# KiCad board modulo_sensor-panel.kicad_pcb (continued)
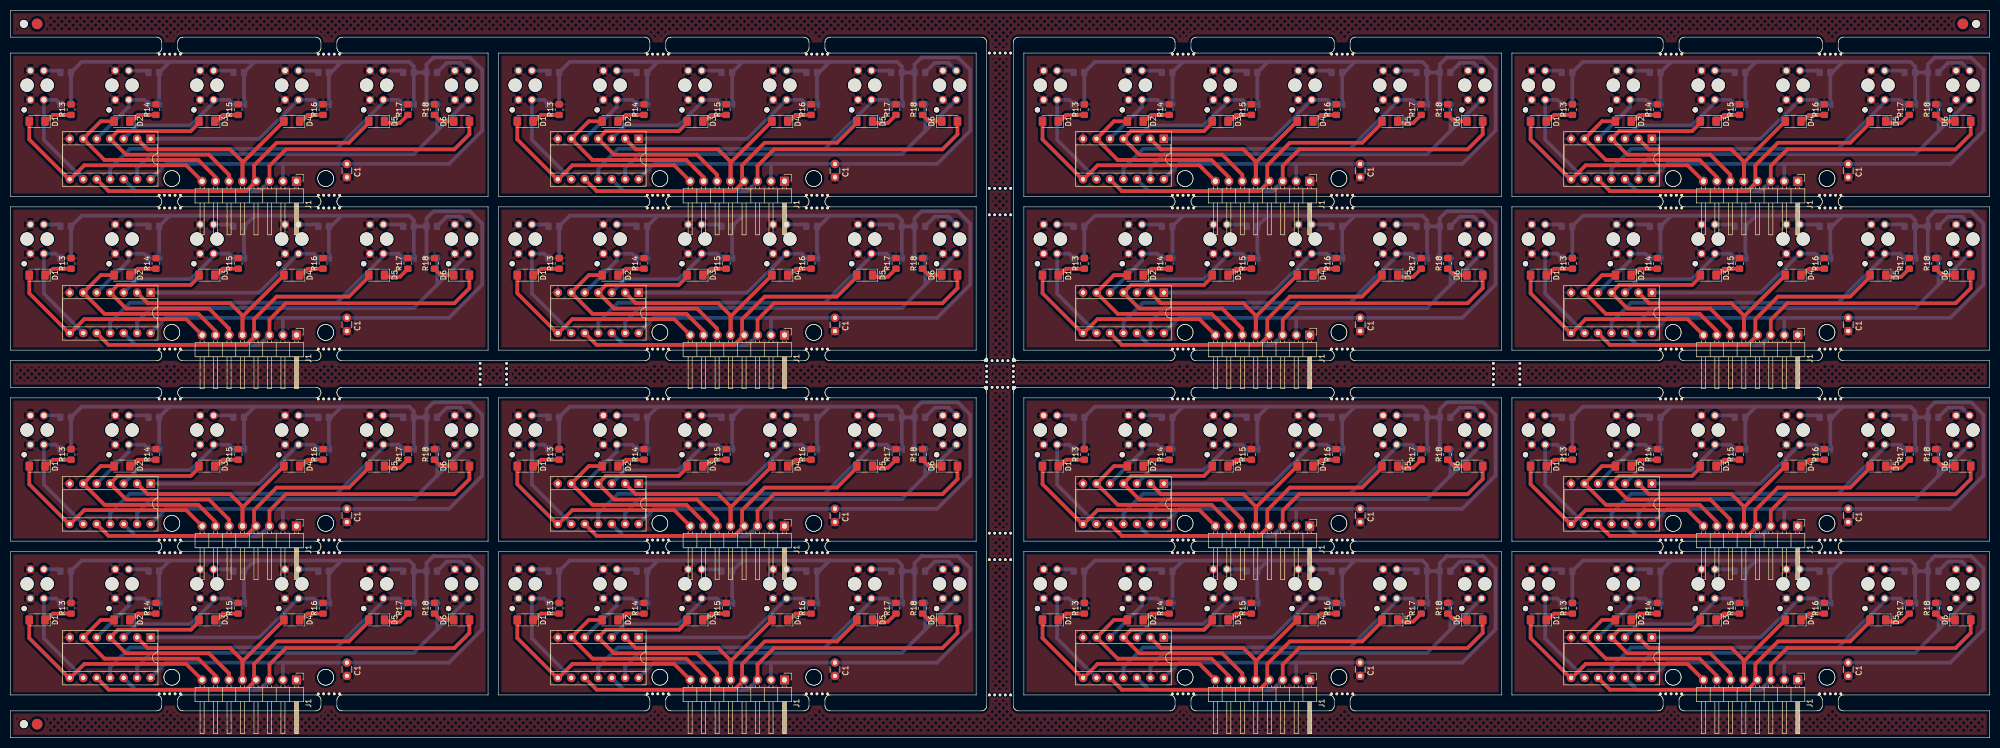
[diagram p0: board, top side]
## Routing (per net, layer and track width the routed paths; a pad name or vN(x,y) marks a point on that pad's centre or on a via; arc(x,y) is an arc through that point) (continued)
Board_5-Net-(D2-K): length 5.5
  Top w0.7: R14#12.1 115.99,88.34 114.49,86.84
Board_5-Net-(D3-K): length 5
  Top w0.7: R15#7.1 131.99,88.34 130.49,86.84
Board_5-Net-(D4-K): length 5
  Top w0.7: 146.49,86.84 147.99,88.34 R16#5.1
Board_5-Net-(D5-K): length 5
  Top w0.7: R17#2.1 165.39,86.84 162.49,86.84
Board_5-Net-(D6-K): length 4.1
  Top w0.7: D6.1 173.09,87.14 R18#3.1
Board_5-Net-(R1-Pad1): length 3.3
  Bottom w0.7: R1#14.1 101.04,96.69 Sensor1#8.A
Board_5-Net-(R3-Pad1): length 3.9
  Bottom w0.7: 114.28,96.34 114.27,96.35 ; Sensor2#16.A 117.65,96.69 R3#5.1
Board_5-Net-(R5-Pad1): length 3.9
  Bottom w0.7: R5#7.1 133.65,96.69 Sensor3#5.A
Board_5-Net-(R7-Pad1): length 3.9
  Bottom w0.7: R7#2.1 149.65,96.69 Sensor4#15.A ; 146.28,96.34 146.27,96.35
Board_5-Net-(R9-Pad1): length 3.9
  Bottom w0.7: R9#9.1 165.65,96.69 Sensor5#6.A ; 162.28,96.34 162.27,96.35
Board_5-Net-(R11-Pad1): length 7.2
  Bottom w0.7: Sensor6#5.A 176.81,98.15 174.2,98.15 R11#9.1
Board_5-vcc: length 208.7
  Bottom w0.7: 143.34,79.09 J1#10.2 ; R2#9.2 R1#14.2 105.39,98.34 122,98.34 ; 138,98.34 122,98.34 ; 138,98.34 R5#7.2 ; 138,98.34 154.39,98.34 ; 122,98.34 R3#5.2 R4#7.2 ; R8#14.2 R7#2.2 152.39,96.34 154.39,98.34 ; R12#9.2 R11#9.2 ; R11#9.2 R9#9.2 ; R11#9.2 170.39,97.84 171.7,99.15 178.58,99.15 180.89,96.84 180.89,85.34 174.64,79.09 C1#11.1 121.26,79.09 U1#5.14 ; R5#7.2 R6#2.2 ; R5#7.2 136,96.35 ; R9#9.2 168,97.48 167.14,98.34 154.39,98.34 ; R9#9.2 R10#11.2
Board_6-/Led_Sensor1: length 41.1
  Top w0.7: 194.51,86.84 194.51,83.72 202.01,76.22 202.27,76.22 204.89,78.84 224.1,78.84 J1#5.8
Board_6-/Led_Sensor2: length 35.9
  Top w0.7: D2#2.2 207.99,87.14 U1.6 208.69,79.84 226.39,79.84 229.63,76.6 J1#5.7
Board_6-/Led_Sensor3: length 44.4
  Top w0.7: J1#5.6 232.17,77.06 228.39,80.84 212.77,80.84 U1.4 211.22,85.29 224.96,85.29 226.51,86.84
Board_6-/Led_Sensor4: length 39.9
  Top w0.7: D4#3.2 234.72,79.34 J1#5.5 234.72,79.52 232.39,81.84 216.85,81.84 U1.2
Board_6-/Led_Sensor5: length 59.7
  Top w0.7: 258.51,86.84 254.76,83.09 241.14,83.09 236.89,78.84 236.89,75.95 237.13,75.71 235.39,73.98 209.47,73.98 U1.10
Board_6-/Led_Sensor6: length 73.9
  Top w0.7: J1#5.3 239.79,78.75 242.89,81.84 274.64,81.84 277.49,84.69 277.49,86.34
  Bottom w0.7: U1.12 214.6,73.93 237.88,73.93 J1#5.3
Board_6-/Sensor1: length 21.5
  Bottom w0.7: U1.9 197.27,83.64 Sensor1#16.COLL 199.54,91.19 R2#13.1
Board_6-/Sensor2: length 13.9
  Bottom w0.7: U1.5 213.27,89.88 Sensor2#12.COLL 216.15,91.19 R4#14.1
Board_6-/Sensor3: length 24.1
  Bottom w0.7: 229.38,90.85 229.38,90.83 224.89,86.34 214.81,86.34 U1.3 ; Sensor3#10.COLL 232.15,91.19 R6#6.1
Board_6-/Sensor4: length 35
  Bottom w0.7: R8#6.1 248.15,91.19 Sensor4#16.COLL 237.92,83.84 U1.1
Board_6-/Sensor5: length 62.9
  Bottom w0.7: 261.27,90.85 261.27,90.72 252.49,81.94 213.49,81.94 209.77,78.22 U1.11 ; Sensor5#13.COLL 264.15,91.19 R10#13.1
Board_6-/Sensor6: length 74.9
  Bottom w0.7: 271.41,85.33 Sensor6#10.COLL ; 271.41,85.33 271.41,89.63 271.39,89.64 R12#6.1 ; 271.41,85.33 267.02,80.94 217.49,80.94 214.85,78.3 U1.13
Board_6-Net-(D1-K): length 5.5
  Top w0.7: 197.49,86.84 198.99,88.34 R13#12.1
Board_6-Net-(D2-K): length 5.5
  Top w0.7: 213.49,86.84 214.99,88.34 R14#4.1
Board_6-Net-(D3-K): length 5
  Top w0.7: R15#4.1 230.99,88.34 229.49,86.84
Board_6-Net-(D4-K): length 5
  Top w0.7: 245.49,86.84 246.99,88.34 R16#12.1
Board_6-Net-(D5-K): length 5
  Top w0.7: R17#4.1 264.39,86.84 261.49,86.84
Board_6-Net-(D6-K): length 4.1
  Top w0.7: D6#2.1 272.09,87.14 R18#4.1
Board_6-Net-(R1-Pad1): length 3.3
  Bottom w0.7: R1#13.1 200.04,96.69 Sensor1#16.A
Board_6-Net-(R3-Pad1): length 3.9
  Bottom w0.7: 213.28,96.34 213.27,96.35 ; R3#3.1 216.65,96.69 Sensor2#12.A
Board_6-Net-(R5-Pad1): length 3.9
  Bottom w0.7: R5#3.1 232.65,96.69 Sensor3#10.A
Board_6-Net-(R7-Pad1): length 3.9
  Bottom w0.7: Sensor4#16.A 248.65,96.69 R7#7.1 ; 245.28,96.34 245.27,96.35
Board_6-Net-(R9-Pad1): length 3.9
  Bottom w0.7: Sensor5#13.A 264.65,96.69 R9#15.1 ; 261.28,96.34 261.27,96.35
Board_6-Net-(R11-Pad1): length 7.2
  Bottom w0.7: R11#5.1 273.2,98.15 275.81,98.15 Sensor6#10.A
Board_6-vcc: length 208.7
  Bottom w0.7: 237,98.34 253.39,98.34 ; 237,98.34 R5#3.2 ; 237,98.34 221,98.34 ; 253.39,98.34 266.14,98.34 267,97.48 R9#15.2 ; 253.39,98.34 251.39,96.34 R7#7.2 R8#6.2 ; 221,98.34 R3#3.2 R4#14.2 ; 221,98.34 204.39,98.34 R1#13.2 R2#13.2 ; R6#6.2 R5#3.2 ; R5#3.2 235,96.35 ; 242.34,79.09 J1#5.2 ; R9#15.2 R10#13.2 ; R9#15.2 R11#5.2 ; R11#5.2 269.39,97.84 270.7,99.15 277.58,99.15 279.89,96.84 279.89,85.34 273.64,79.09 C1#9.1 220.26,79.09 U1.14 ; R11#5.2 R12#6.2
Board_7-/Led_Sensor1: length 41.1
  Top w0.7: J1#9.8 316.1,78.84 296.89,78.84 294.27,76.22 294.01,76.22 286.51,83.72 286.51,86.84
Board_7-/Led_Sensor2: length 35.9
  Top w0.7: J1#9.7 321.63,76.6 318.39,79.84 300.69,79.84 U1#12.6 299.99,87.14 D2#6.2
Board_7-/Led_Sensor3: length 44.4
  Top w0.7: 318.51,86.84 316.96,85.29 303.22,85.29 U1#12.4 304.77,80.84 320.39,80.84 324.17,77.06 J1#9.6
Board_7-/Led_Sensor4: length 39.9
  Top w0.7: D4#10.2 326.72,79.34 J1#9.5 326.72,79.52 324.39,81.84 308.85,81.84 U1#12.2
Board_7-/Led_Sensor5: length 59.7
  Top w0.7: U1#12.10 301.47,73.98 327.39,73.98 329.13,75.71 328.89,75.95 328.89,78.84 333.14,83.09 346.76,83.09 350.51,86.84
Board_7-/Led_Sensor6: length 73.9
  Top w0.7: 369.49,86.34 369.49,84.69 366.64,81.84 334.89,81.84 331.79,78.75 J1#9.3
  Bottom w0.7: J1#9.3 329.88,73.93 306.6,73.93 U1#12.12
Board_7-/Sensor1: length 21.5
  Bottom w0.7: U1#12.9 289.27,83.64 Sensor1#5.COLL 291.54,91.19 R2#10.1
Board_7-/Sensor2: length 13.9
  Bottom w0.7: R4#15.1 308.15,91.19 Sensor2#2.COLL 305.27,89.88 U1#12.5
Board_7-/Sensor3: length 24.1
  Bottom w0.7: R6#3.1 324.15,91.19 Sensor3#7.COLL ; U1#12.3 306.81,86.34 316.89,86.34 321.38,90.83 321.38,90.85
Board_7-/Sensor4: length 35
  Bottom w0.7: R8#11.1 340.15,91.19 Sensor4#7.COLL 329.92,83.84 U1#12.1
Board_7-/Sensor5: length 62.9
  Bottom w0.7: Sensor5#3.COLL 356.15,91.19 R10#9.1 ; U1#12.11 301.77,78.22 305.49,81.94 344.49,81.94 353.27,90.72 353.27,90.85
Board_7-/Sensor6: length 74.9
  Bottom w0.7: 363.41,85.33 359.02,80.94 309.49,80.94 306.85,78.3 U1#12.13 ; 363.41,85.33 363.41,89.63 363.39,89.64 R12#3.1 ; 363.41,85.33 Sensor6#11.COLL
Board_7-Net-(D1-K): length 5.5
  Top w0.7: R13#15.1 290.99,88.34 289.49,86.84
Board_7-Net-(D2-K): length 5.5
  Top w0.7: R14#10.1 306.99,88.34 305.49,86.84
Board_7-Net-(D3-K): length 5
  Top w0.7: R15#16.1 322.99,88.34 321.49,86.84
Board_7-Net-(D4-K): length 5
  Top w0.7: 337.49,86.84 338.99,88.34 R16#11.1
Board_7-Net-(D5-K): length 5
  Top w0.7: R17#12.1 356.39,86.84 353.49,86.84
Board_7-Net-(D6-K): length 4.1
  Top w0.7: D6#4.1 364.09,87.14 R18#9.1
Board_7-Net-(R1-Pad1): length 3.3
  Bottom w0.7: R1#8.1 292.04,96.69 Sensor1#5.A
Board_7-Net-(R3-Pad1): length 3.9
  Bottom w0.7: R3#10.1 308.65,96.69 Sensor2#2.A ; 305.28,96.34 305.27,96.35
Board_7-Net-(R5-Pad1): length 3.9
  Bottom w0.7: R5#6.1 324.65,96.69 Sensor3#7.A
Board_7-Net-(R7-Pad1): length 3.9
  Bottom w0.7: 337.28,96.34 337.27,96.35 ; R7#4.1 340.65,96.69 Sensor4#7.A
Board_7-Net-(R9-Pad1): length 3.9
  Bottom w0.7: 353.28,96.34 353.27,96.35 ; Sensor5#3.A 356.65,96.69 R9.1
Board_7-Net-(R11-Pad1): length 7.2
  Bottom w0.7: R11#16.1 365.2,98.15 367.81,98.15 Sensor6#11.A
Board_7-vcc: length 208.7
  Bottom w0.7: R11#16.2 361.39,97.84 362.7,99.15 369.58,99.15 371.89,96.84 371.89,85.34 365.64,79.09 C1.1 312.26,79.09 U1#12.14 ; R11#16.2 R9.2 ; R11#16.2 R12#3.2 ; 329,98.34 345.39,98.34 ; 329,98.34 313,98.34 ; 329,98.34 R5#6.2 ; 345.39,98.34 358.14,98.34 359,97.48 R9.2 ; 345.39,98.34 343.39,96.34 R7#4.2 R8#11.2 ; R6#3.2 R5#6.2 ; R5#6.2 327,96.35 ; R4#15.2 R3#10.2 313,98.34 ; 313,98.34 296.39,98.34 R1#8.2 R2#10.2 ; R9.2 R10#9.2 ; 334.34,79.09 J1#9.2
Board_8-/Led_Sensor1: length 41.1
  Top w0.7: 3.51,50.84 3.51,47.72 11.01,40.22 11.27,40.22 13.89,42.84 33.1,42.84 J1#8.8
Board_8-/Led_Sensor2: length 35.9
  Top w0.7: J1#8.7 38.63,40.6 35.39,43.84 17.69,43.84 U1#8.6 16.99,51.14 D2#8.2
Board_8-/Led_Sensor3: length 44.4
  Top w0.7: 35.51,50.84 33.96,49.29 20.22,49.29 U1#8.4 21.77,44.84 37.39,44.84 41.18,41.06 J1#8.6
Board_8-/Led_Sensor4: length 39.9
  Top w0.7: D4#2.2 43.71,43.34 J1#8.5 43.71,43.52 41.39,45.84 25.85,45.84 U1#8.2
Board_8-/Led_Sensor5: length 59.7
  Top w0.7: 67.51,50.84 63.76,47.09 50.14,47.09 45.89,42.84 45.89,39.95 46.13,39.71 44.39,37.98 18.47,37.98 U1#8.10
Board_8-/Led_Sensor6: length 73.9
  Top w0.7: J1#8.3 48.8,42.75 51.89,45.84 83.64,45.84 86.49,48.69 86.49,50.34
  Bottom w0.7: J1#8.3 46.88,37.93 23.6,37.93 U1#8.12
Board_8-/Sensor1: length 21.5
  Bottom w0.7: R2#4.1 8.54,55.19 Sensor1#15.COLL 6.27,47.64 U1#8.9
Board_8-/Sensor2: length 13.9
  Bottom w0.7: R4#4.1 25.15,55.19 Sensor2#9.COLL 22.27,53.88 U1#8.5
Board_8-/Sensor3: length 24.1
  Bottom w0.7: 38.38,54.85 38.38,54.83 33.89,50.34 23.81,50.34 U1#8.3 ; Sensor3#9.COLL 41.15,55.19 R6#7.1
Board_8-/Sensor4: length 35
  Bottom w0.7: R8#15.1 57.15,55.19 Sensor4#10.COLL 46.92,47.84 U1#8.1
Board_8-/Sensor5: length 62.9
  Bottom w0.7: U1#8.11 18.77,42.22 22.49,45.94 61.49,45.94 70.27,54.72 70.27,54.85 ; Sensor5#12.COLL 73.15,55.19 R10#4.1
Board_8-/Sensor6: length 74.9
  Bottom w0.7: U1#8.13 23.85,42.3 26.49,44.94 76.02,44.94 80.41,49.33 ; 80.41,49.33 80.41,53.63 80.39,53.64 R12#12.1 ; 80.41,49.33 Sensor6#8.COLL
Board_8-Net-(D1-K): length 5.5
  Top w0.7: R13#14.1 7.99,52.34 6.49,50.84
Board_8-Net-(D2-K): length 5.5
  Top w0.7: R14#8.1 23.99,52.34 22.49,50.84
Board_8-Net-(D3-K): length 5
  Top w0.7: 38.49,50.84 39.99,52.34 R15#11.1
Board_8-Net-(D4-K): length 5
  Top w0.7: R16#16.1 55.99,52.34 54.49,50.84
Board_8-Net-(D5-K): length 5
  Top w0.7: 70.49,50.84 73.39,50.84 R17#10.1
Board_8-Net-(D6-K): length 4.1
  Top w0.7: R18.1 81.09,51.14 D6#11.1
Board_8-Net-(R1-Pad1): length 3.3
  Bottom w0.7: R1#6.1 9.04,60.69 Sensor1#15.A
Board_8-Net-(R3-Pad1): length 3.9
  Bottom w0.7: Sensor2#9.A 25.65,60.69 R3#2.1 ; 22.28,60.34 22.27,60.35
Board_8-Net-(R5-Pad1): length 3.9
  Bottom w0.7: Sensor3#9.A 41.65,60.69 R5#14.1
Board_8-Net-(R7-Pad1): length 3.9
  Bottom w0.7: Sensor4#10.A 57.65,60.69 R7#10.1 ; 54.28,60.34 54.27,60.35
Board_8-Net-(R9-Pad1): length 3.9
  Bottom w0.7: R9#16.1 73.65,60.69 Sensor5#12.A ; 70.28,60.34 70.27,60.35
Board_8-Net-(R11-Pad1): length 7.2
  Bottom w0.7: Sensor6#8.A 84.81,62.15 82.2,62.15 R11.1
Board_8-vcc: length 208.7
  Bottom w0.7: 62.39,62.34 60.39,60.34 R7#10.2 R8#15.2 ; 62.39,62.34 46,62.34 ; 62.39,62.34 75.14,62.34 76,61.48 R9#16.2 ; U1#8.14 29.26,43.09 C1#7.1 82.64,43.09 88.89,49.34 88.89,60.84 86.58,63.15 79.7,63.15 78.39,61.84 R11.2 ; 51.33,43.09 J1#8.2 ; R9#16.2 R11.2 ; R9#16.2 R10#4.2 ; R11.2 R12#12.2 ; R5#14.2 46,62.34 ; R5#14.2 R6#7.2 ; R5#14.2 44,60.35 ; 46,62.34 30,62.34 ; 30,62.34 13.39,62.34 R1#6.2 R2#4.2 ; 30,62.34 R3#2.2 R4#4.2
Board_9-/Led_Sensor1: length 41.1
  Top w0.7: 95.51,50.84 95.51,47.72 103.01,40.22 103.27,40.22 105.89,42.84 125.1,42.84 J1#3.8
Board_9-/Led_Sensor2: length 35.9
  Top w0.7: D2#14.2 108.99,51.14 U1#2.6 109.69,43.84 127.39,43.84 130.63,40.6 J1#3.7
Board_9-/Led_Sensor3: length 44.4
  Top w0.7: 127.51,50.84 125.96,49.29 112.22,49.29 U1#2.4 113.77,44.84 129.39,44.84 133.17,41.06 J1#3.6
Board_9-/Led_Sensor4: length 39.9
  Top w0.7: D4#16.2 135.72,43.34 J1#3.5 135.72,43.52 133.39,45.84 117.85,45.84 U1#2.2
Board_9-/Led_Sensor5: length 59.7
  Top w0.7: U1#2.10 110.47,37.98 136.39,37.98 138.13,39.71 137.89,39.95 137.89,42.84 142.14,47.09 155.76,47.09 159.51,50.84
Board_9-/Led_Sensor6: length 73.9
  Top w0.7: J1#3.3 140.79,42.75 143.89,45.84 175.64,45.84 178.49,48.69 178.49,50.34
  Bottom w0.7: J1#3.3 138.88,37.93 115.6,37.93 U1#2.12
Board_9-/Sensor1: length 21.5
  Bottom w0.7: U1#2.9 98.27,47.64 Sensor1.COLL 100.54,55.19 R2#8.1
Board_9-/Sensor2: length 13.9
  Bottom w0.7: U1#2.5 114.27,53.88 Sensor2.COLL 117.15,55.19 R4#16.1
Board_9-/Sensor3: length 24.1
  Bottom w0.7: 130.38,54.85 130.38,54.83 125.89,50.34 115.81,50.34 U1#2.3 ; Sensor3#2.COLL 133.15,55.19 R6#14.1
Board_9-/Sensor4: length 35
  Bottom w0.7: R8#12.1 149.15,55.19 Sensor4#12.COLL 138.92,47.84 U1#2.1
Board_9-/Sensor5: length 62.9
  Bottom w0.7: Sensor5.COLL 165.15,55.19 R10#15.1 ; U1#2.11 110.77,42.22 114.49,45.94 153.49,45.94 162.27,54.72 162.27,54.85
Board_9-/Sensor6: length 74.9
  Bottom w0.7: 172.41,49.33 168.02,44.94 118.49,44.94 115.85,42.3 U1#2.13 ; 172.41,49.33 Sensor6.COLL ; 172.41,49.33 172.41,53.63 172.39,53.64 R12.1
Board_9-Net-(D1-K): length 5.5
  Top w0.7: R13.1 99.99,52.34 98.49,50.84
Board_9-Net-(D2-K): length 5.5
  Top w0.7: 114.49,50.84 115.99,52.34 R14.1
Board_9-Net-(D3-K): length 5
  Top w0.7: 130.49,50.84 131.99,52.34 R15#9.1
Board_9-Net-(D4-K): length 5
  Top w0.7: 146.49,50.84 147.99,52.34 R16#8.1
Board_9-Net-(D5-K): length 5
  Top w0.7: 162.49,50.84 165.39,50.84 R17#16.1
Board_9-Net-(D6-K): length 4.1
  Top w0.7: R18#8.1 173.09,51.14 D6#7.1
Board_9-Net-(R1-Pad1): length 3.3
  Bottom w0.7: Sensor1.A 101.04,60.69 R1#3.1
Board_9-Net-(R3-Pad1): length 3.9
  Bottom w0.7: 114.28,60.34 114.27,60.35 ; R3#9.1 117.65,60.69 Sensor2.A
Board_9-Net-(R5-Pad1): length 3.9
  Bottom w0.7: Sensor3#2.A 133.65,60.69 R5#15.1
Board_9-Net-(R7-Pad1): length 3.9
  Bottom w0.7: R7#15.1 149.65,60.69 Sensor4#12.A ; 146.28,60.34 146.27,60.35
Board_9-Net-(R9-Pad1): length 3.9
  Bottom w0.7: Sensor5.A 165.65,60.69 R9#5.1 ; 162.28,60.34 162.27,60.35
Board_9-Net-(R11-Pad1): length 7.2
  Bottom w0.7: R11#4.1 174.2,62.15 176.81,62.15 Sensor6.A
Board_9-vcc: length 208.7
  Bottom w0.7: 138,62.34 154.39,62.34 ; 138,62.34 122,62.34 ; 138,62.34 R5#15.2 ; 154.39,62.34 152.39,60.34 R7#15.2 R8#12.2 ; 154.39,62.34 167.14,62.34 168,61.48 R9#5.2 ; R9#5.2 R11#4.2 ; R9#5.2 R10#15.2 ; R11#4.2 170.39,61.84 171.7,63.15 178.58,63.15 180.89,60.84 180.89,49.34 174.64,43.09 C1#10.1 121.26,43.09 U1#2.14 ; R11#4.2 R12.2 ; 143.34,43.09 J1#3.2 ; 122,62.34 105.39,62.34 R1#3.2 R2#8.2 ; 122,62.34 R3#9.2 R4#16.2 ; R6#14.2 R5#15.2 ; R5#15.2 136,60.35
Board_10-/Led_Sensor1: length 41.1
  Top w0.7: 194.51,50.84 194.51,47.72 202.01,40.22 202.27,40.22 204.89,42.84 224.1,42.84 J1.8
Board_10-/Led_Sensor2: length 35.9
  Top w0.7: J1.7 229.63,40.6 226.39,43.84 208.69,43.84 U1#9.6 207.99,51.14 D2#7.2
Board_10-/Led_Sensor3: length 44.4
  Top w0.7: 226.51,50.84 224.96,49.29 211.22,49.29 U1#9.4 212.77,44.84 228.39,44.84 232.17,41.06 J1.6
Board_10-/Led_Sensor4: length 39.9
  Top w0.7: U1#9.2 216.85,45.84 232.39,45.84 234.72,43.52 J1.5 234.72,43.34 D4#13.2
Board_10-/Led_Sensor5: length 59.7
  Top w0.7: U1#9.10 209.47,37.98 235.39,37.98 237.13,39.71 236.89,39.95 236.89,42.84 241.14,47.09 254.76,47.09 258.51,50.84
Board_10-/Led_Sensor6: length 73.9
  Top w0.7: 277.49,50.34 277.49,48.69 274.64,45.84 242.89,45.84 239.79,42.75 J1.3
  Bottom w0.7: J1.3 237.88,37.93 214.6,37.93 U1#9.12
Board_10-/Sensor1: length 21.5
  Bottom w0.7: R2#11.1 199.54,55.19 Sensor1#3.COLL 197.27,47.64 U1#9.9
Board_10-/Sensor2: length 13.9
  Bottom w0.7: U1#9.5 213.27,53.88 Sensor2#8.COLL 216.15,55.19 R4#2.1
Board_10-/Sensor3: length 24.1
  Bottom w0.7: Sensor3.COLL 232.15,55.19 R6#15.1 ; 229.38,54.85 229.38,54.83 224.89,50.34 214.81,50.34 U1#9.3
Board_10-/Sensor4: length 35
  Bottom w0.7: U1#9.1 237.92,47.84 Sensor4#6.COLL 248.15,55.19 R8#9.1
Board_10-/Sensor5: length 62.9
  Bottom w0.7: R10#2.1 264.15,55.19 Sensor5#5.COLL ; 261.27,54.85 261.27,54.72 252.49,45.94 213.49,45.94 209.77,42.22 U1#9.11
Board_10-/Sensor6: length 74.9
  Bottom w0.7: 271.41,49.33 271.41,53.63 271.39,53.64 R12#15.1 ; 271.41,49.33 Sensor6#3.COLL ; 271.41,49.33 267.02,44.94 217.49,44.94 214.85,42.3 U1#9.13
Board_10-Net-(D1-K): length 5.5
  Top w0.7: R13#13.1 198.99,52.34 197.49,50.84
Board_10-Net-(D2-K): length 5.5
  Top w0.7: 213.49,50.84 214.99,52.34 R14#16.1
Board_10-Net-(D3-K): length 5
  Top w0.7: 229.49,50.84 230.99,52.34 R15#5.1
Board_10-Net-(D4-K): length 5
  Top w0.7: R16#7.1 246.99,52.34 245.49,50.84
Board_10-Net-(D5-K): length 5
  Top w0.7: 261.49,50.84 264.39,50.84 R17#7.1
Board_10-Net-(D6-K): length 4.1
  Top w0.7: R18#15.1 272.09,51.14 D6#15.1
Board_10-Net-(R1-Pad1): length 3.3
  Bottom w0.7: R1#12.1 200.04,60.69 Sensor1#3.A
Board_10-Net-(R3-Pad1): length 3.9
  Bottom w0.7: 213.28,60.34 213.27,60.35 ; Sensor2#8.A 216.65,60.69 R3#8.1
Board_10-Net-(R5-Pad1): length 3.9
  Bottom w0.7: Sensor3.A 232.65,60.69 R5#5.1
Board_10-Net-(R7-Pad1): length 3.9
  Bottom w0.7: Sensor4#6.A 248.65,60.69 R7#14.1 ; 245.28,60.34 245.27,60.35
Board_10-Net-(R9-Pad1): length 3.9
  Bottom w0.7: 261.28,60.34 261.27,60.35 ; Sensor5#5.A 264.65,60.69 R9#3.1
Board_10-Net-(R11-Pad1): length 7.2
  Bottom w0.7: Sensor6#3.A 275.81,62.15 273.2,62.15 R11#2.1
Board_10-vcc: length 208.7
  Bottom w0.7: 253.39,62.34 251.39,60.34 R7#14.2 R8#9.2 ; 253.39,62.34 266.14,62.34 267,61.48 R9#3.2 ; 253.39,62.34 237,62.34 ; R2#11.2 R1#12.2 204.39,62.34 221,62.34 ; R5#5.2 237,62.34 ; R5#5.2 235,60.35 ; R5#5.2 R6#15.2 ; 237,62.34 221,62.34 ; R9#3.2 R11#2.2 ; R9#3.2 R10#2.2 ; R11#2.2 269.39,61.84 270.7,63.15 277.58,63.15 279.89,60.84 279.89,49.34 273.64,43.09 C1#14.1 220.26,43.09 U1#9.14 ; R11#2.2 R12#15.2 ; 221,62.34 R3#8.2 R4#2.2 ; 242.34,43.09 J1.2
Board_11-/Led_Sensor1: length 41.1
  Top w0.7: J1#13.8 316.1,42.84 296.89,42.84 294.27,40.22 294.01,40.22 286.51,47.72 286.51,50.84
Board_11-/Led_Sensor2: length 35.9
  Top w0.7: J1#13.7 321.63,40.6 318.39,43.84 300.69,43.84 U1#15.6 299.99,51.14 D2#16.2
Board_11-/Led_Sensor3: length 44.4
  Top w0.7: 318.51,50.84 316.96,49.29 303.22,49.29 U1#15.4 304.77,44.84 320.39,44.84 324.17,41.06 J1#13.6
Board_11-/Led_Sensor4: length 39.9
  Top w0.7: D4#8.2 326.72,43.34 J1#13.5 326.72,43.52 324.39,45.84 308.85,45.84 U1#15.2
Board_11-/Led_Sensor5: length 59.7
  Top w0.7: 350.51,50.84 346.76,47.09 333.14,47.09 328.89,42.84 328.89,39.95 329.13,39.71 327.39,37.98 301.47,37.98 U1#15.10
Board_11-/Led_Sensor6: length 73.9
  Top w0.7: J1#13.3 331.79,42.75 334.89,45.84 366.64,45.84 369.49,48.69 369.49,50.34
  Bottom w0.7: U1#15.12 306.6,37.93 329.88,37.93 J1#13.3
Board_11-/Sensor1: length 21.5
  Bottom w0.7: R2#2.1 291.54,55.19 Sensor1#10.COLL 289.27,47.64 U1#15.9
Board_11-/Sensor2: length 13.9
  Bottom w0.7: U1#15.5 305.27,53.88 Sensor2#10.COLL 308.15,55.19 R4#6.1
Board_11-/Sensor3: length 24.1
  Bottom w0.7: U1#15.3 306.81,50.34 316.89,50.34 321.38,54.83 321.38,54.85 ; Sensor3#3.COLL 324.15,55.19 R6#13.1
Board_11-/Sensor4: length 35
  Bottom w0.7: U1#15.1 329.92,47.84 Sensor4#9.COLL 340.15,55.19 R8.1
Board_11-/Sensor5: length 62.9
  Bottom w0.7: R10#10.1 356.15,55.19 Sensor5#14.COLL ; 353.27,54.85 353.27,54.72 344.49,45.94 305.49,45.94 301.77,42.22 U1#15.11
Board_11-/Sensor6: length 74.9
  Bottom w0.7: R12#11.1 363.39,53.64 363.41,53.63 363.41,49.33 ; 363.41,49.33 Sensor6#7.COLL ; 363.41,49.33 359.02,44.94 309.49,44.94 306.85,42.3 U1#15.13
Board_11-Net-(D1-K): length 5.5
  Top w0.7: 289.49,50.84 290.99,52.34 R13#11.1
Board_11-Net-(D2-K): length 5.5
  Top w0.7: R14#9.1 306.99,52.34 305.49,50.84
Board_11-Net-(D3-K): length 5
  Top w0.7: 321.49,50.84 322.99,52.34 R15#12.1
Board_11-Net-(D4-K): length 5
  Top w0.7: 337.49,50.84 338.99,52.34 R16#10.1
Board_11-Net-(D5-K): length 5
  Top w0.7: R17#9.1 356.39,50.84 353.49,50.84
Board_11-Net-(D6-K): length 4.1
  Top w0.7: D6#13.1 364.09,51.14 R18#16.1
Board_11-Net-(R1-Pad1): length 3.3
  Bottom w0.7: R1#16.1 292.04,60.69 Sensor1#10.A
Board_11-Net-(R3-Pad1): length 3.9
  Bottom w0.7: Sensor2#10.A 308.65,60.69 R3#14.1 ; 305.28,60.34 305.27,60.35
Board_11-Net-(R5-Pad1): length 3.9
  Bottom w0.7: R5#16.1 324.65,60.69 Sensor3#3.A
Board_11-Net-(R7-Pad1): length 3.9
  Bottom w0.7: R7#13.1 340.65,60.69 Sensor4#9.A ; 337.28,60.34 337.27,60.35
Board_11-Net-(R9-Pad1): length 3.9
  Bottom w0.7: Sensor5#14.A 356.65,60.69 R9#2.1 ; 353.28,60.34 353.27,60.35
Board_11-Net-(R11-Pad1): length 7.2
  Bottom w0.7: R11#14.1 365.2,62.15 367.81,62.15 Sensor6#7.A
Board_11-vcc: length 208.7
  Bottom w0.7: R9#2.2 R11#14.2 ; R9#2.2 R10#10.2 ; R9#2.2 359,61.48 358.14,62.34 345.39,62.34 ; R11#14.2 R12#11.2 ; R11#14.2 361.39,61.84 362.7,63.15 369.58,63.15 371.89,60.84 371.89,49.34 365.64,43.09 C1#3.1 312.26,43.09 U1#15.14 ; 313,62.34 296.39,62.34 R1#16.2 R2#2.2 ; 313,62.34 329,62.34 ; 313,62.34 R3#14.2 R4#6.2 ; 345.39,62.34 343.39,60.34 R7#13.2 R8.2 ; 345.39,62.34 329,62.34 ; 329,62.34 R5#16.2 ; R6#13.2 R5#16.2 ; R5#16.2 327,60.35 ; 334.34,43.09 J1#13.2
Board_12-/Led_Sensor1: length 41.1
  Top w0.7: J1#16.8 33.1,13.84 13.89,13.84 11.27,11.22 11.01,11.22 3.51,18.72 3.51,21.84
Board_12-/Led_Sensor2: length 35.9
  Top w0.7: J1#16.7 38.63,11.6 35.39,14.84 17.69,14.84 U1#13.6 16.99,22.14 D2#4.2
Board_12-/Led_Sensor3: length 44.4
  Top w0.7: J1#16.6 41.18,12.06 37.39,15.84 21.77,15.84 U1#13.4 20.22,20.29 33.96,20.29 35.51,21.84
Board_12-/Led_Sensor4: length 39.9
  Top w0.7: U1#13.2 25.85,16.84 41.39,16.84 43.71,14.52 J1#16.5 43.71,14.34 D4#12.2
Board_12-/Led_Sensor5: length 59.7
  Top w0.7: U1#13.10 18.47,8.98 44.39,8.98 46.13,10.71 45.89,10.95 45.89,13.84 50.14,18.09 63.76,18.09 67.51,21.84
Board_12-/Led_Sensor6: length 73.9
  Top w0.7: 86.49,21.34 86.49,19.69 83.64,16.84 51.89,16.84 48.8,13.75 J1#16.3
  Bottom w0.7: U1#13.12 23.6,8.93 46.88,8.93 J1#16.3
Board_12-/Sensor1: length 21.5
  Bottom w0.7: R2#5.1 8.54,26.19 Sensor1#2.COLL 6.27,18.64 U1#13.9
Board_12-/Sensor2: length 13.9
  Bottom w0.7: R4#5.1 25.15,26.19 Sensor2#4.COLL 22.27,24.88 U1#13.5
Board_12-/Sensor3: length 24.1
  Bottom w0.7: Sensor3#15.COLL 41.15,26.19 R6#4.1 ; 38.38,25.85 38.38,25.83 33.89,21.34 23.81,21.34 U1#13.3
Board_12-/Sensor4: length 35
  Bottom w0.7: U1#13.1 46.92,18.84 Sensor4#13.COLL 57.15,26.19 R8#7.1
Board_12-/Sensor5: length 62.9
  Bottom w0.7: U1#13.11 18.77,13.22 22.49,16.94 61.49,16.94 70.27,25.72 70.27,25.85 ; Sensor5#8.COLL 73.15,26.19 R10#3.1
Board_12-/Sensor6: length 74.9
  Bottom w0.7: R12#13.1 80.39,24.64 80.41,24.63 80.41,20.33 ; 80.41,20.33 76.02,15.94 26.49,15.94 23.85,13.3 U1#13.13 ; 80.41,20.33 Sensor6#4.COLL
Board_12-Net-(D1-K): length 5.5
  Top w0.7: 6.49,21.84 7.99,23.34 R13#6.1
Board_12-Net-(D2-K): length 5.5
  Top w0.7: R14#6.1 23.99,23.34 22.49,21.84
Board_12-Net-(D3-K): length 5
  Top w0.7: 38.49,21.84 39.99,23.34 R15#2.1
Board_12-Net-(D4-K): length 5
  Top w0.7: 54.49,21.84 55.99,23.34 R16#14.1
Board_12-Net-(D5-K): length 5
  Top w0.7: R17.1 73.39,21.84 70.49,21.84
Board_12-Net-(D6-K): length 4.1
  Top w0.7: R18#5.1 81.09,22.14 D6#14.1
Board_12-Net-(R1-Pad1): length 3.3
  Bottom w0.7: Sensor1#2.A 9.04,31.69 R1#15.1
Board_12-Net-(R3-Pad1): length 3.9
  Bottom w0.7: Sensor2#4.A 25.65,31.69 R3#15.1 ; 22.28,31.34 22.27,31.35
Board_12-Net-(R5-Pad1): length 3.9
  Bottom w0.7: R5.1 41.65,31.69 Sensor3#15.A
Board_12-Net-(R7-Pad1): length 3.9
  Bottom w0.7: 54.28,31.34 54.27,31.35 ; R7#6.1 57.65,31.69 Sensor4#13.A
Board_12-Net-(R9-Pad1): length 3.9
  Bottom w0.7: R9#14.1 73.65,31.69 Sensor5#8.A ; 70.28,31.34 70.27,31.35
Board_12-Net-(R11-Pad1): length 7.2
  Bottom w0.7: R11#15.1 82.2,33.15 84.81,33.15 Sensor6#4.A
Board_12-vcc: length 208.7
  Bottom w0.7: R12#13.2 R11#15.2 ; R11#15.2 R9#14.2 ; R11#15.2 78.39,32.84 79.7,34.15 86.58,34.15 88.89,31.84 88.89,20.34 82.64,14.09 C1#15.1 29.26,14.09 U1#13.14 ; R4#5.2 R3#15.2 30,33.34 ; 62.39,33.34 75.14,33.34 76,32.48 R9#14.2 ; 62.39,33.34 60.39,31.34 R7#6.2 R8#7.2 ; 62.39,33.34 46,33.34 ; R5.2 46,33.34 ; R5.2 R6#4.2 ; R5.2 44,31.35 ; 46,33.34 30,33.34 ; R9#14.2 R10#3.2 ; 51.33,14.09 J1#16.2 ; 30,33.34 13.39,33.34 R1#15.2 R2#5.2
Board_13-/Led_Sensor1: length 41.1
  Top w0.7: J1#4.8 125.1,13.84 105.89,13.84 103.27,11.22 103.01,11.22 95.51,18.72 95.51,21.84
Board_13-/Led_Sensor2: length 35.9
  Top w0.7: D2#13.2 108.99,22.14 U1#4.6 109.69,14.84 127.39,14.84 130.63,11.6 J1#4.7
Board_13-/Led_Sensor3: length 44.4
  Top w0.7: 127.51,21.84 125.96,20.29 112.22,20.29 U1#4.4 113.77,15.84 129.39,15.84 133.17,12.06 J1#4.6
Board_13-/Led_Sensor4: length 39.9
  Top w0.7: D4#9.2 135.72,14.34 J1#4.5 135.72,14.52 133.39,16.84 117.85,16.84 U1#4.2
Board_13-/Led_Sensor5: length 59.7
  Top w0.7: 159.51,21.84 155.76,18.09 142.14,18.09 137.89,13.84 137.89,10.95 138.13,10.71 136.39,8.98 110.47,8.98 U1#4.10
Board_13-/Led_Sensor6: length 73.9
  Top w0.7: 178.49,21.34 178.49,19.69 175.64,16.84 143.89,16.84 140.79,13.75 J1#4.3
  Bottom w0.7: U1#4.12 115.6,8.93 138.88,8.93 J1#4.3
Board_13-/Sensor1: length 21.5
  Bottom w0.7: R2#6.1 100.54,26.19 Sensor1#14.COLL 98.27,18.64 U1#4.9
Board_13-/Sensor2: length 13.9
  Bottom w0.7: U1#4.5 114.27,24.88 Sensor2#5.COLL 117.15,26.19 R4#11.1
Board_13-/Sensor3: length 24.1
  Bottom w0.7: Sensor3#4.COLL 133.15,26.19 R6#16.1 ; U1#4.3 115.81,21.34 125.89,21.34 130.38,25.83 130.38,25.85
Board_13-/Sensor4: length 35
  Bottom w0.7: R8#5.1 149.15,26.19 Sensor4#11.COLL 138.92,18.84 U1#4.1
Board_13-/Sensor5: length 62.9
  Bottom w0.7: 162.27,25.85 162.27,25.72 153.49,16.94 114.49,16.94 110.77,13.22 U1#4.11 ; R10#5.1 165.15,26.19 Sensor5#9.COLL
Board_13-/Sensor6: length 74.9
  Bottom w0.7: 172.41,20.33 Sensor6#2.COLL ; 172.41,20.33 168.02,15.94 118.49,15.94 115.85,13.3 U1#4.13 ; 172.41,20.33 172.41,24.63 172.39,24.64 R12#5.1
Board_13-Net-(D1-K): length 5.5
  Top w0.7: 98.49,21.84 99.99,23.34 R13#7.1
Board_13-Net-(D2-K): length 5.5
  Top w0.7: R14#3.1 115.99,23.34 114.49,21.84
Board_13-Net-(D3-K): length 5
  Top w0.7: R15#3.1 131.99,23.34 130.49,21.84
Board_13-Net-(D4-K): length 5
  Top w0.7: R16#4.1 147.99,23.34 146.49,21.84
Board_13-Net-(D5-K): length 5
  Top w0.7: R17#6.1 165.39,21.84 162.49,21.84
Board_13-Net-(D6-K): length 4.1
  Top w0.7: R18#11.1 173.09,22.14 D6#9.1
Board_13-Net-(R1-Pad1): length 3.3
  Bottom w0.7: R1#4.1 101.04,31.69 Sensor1#14.A
Board_13-Net-(R3-Pad1): length 3.9
  Bottom w0.7: R3#6.1 117.65,31.69 Sensor2#5.A ; 114.28,31.34 114.27,31.35
Board_13-Net-(R5-Pad1): length 3.9
  Bottom w0.7: Sensor3#4.A 133.65,31.69 R5#4.1
Board_13-Net-(R7-Pad1): length 3.9
  Bottom w0.7: R7#16.1 149.65,31.69 Sensor4#11.A ; 146.28,31.34 146.27,31.35
Board_13-Net-(R9-Pad1): length 3.9
  Bottom w0.7: R9#6.1 165.65,31.69 Sensor5#9.A ; 162.28,31.34 162.27,31.35
Board_13-Net-(R11-Pad1): length 7.2
  Bottom w0.7: R11#6.1 174.2,33.15 176.81,33.15 Sensor6#2.A
Board_13-vcc: length 208.7
  Bottom w0.7: U1#4.14 121.26,14.09 C1#16.1 174.64,14.09 180.89,20.34 180.89,31.84 178.58,34.15 171.7,34.15 170.39,32.84 R11#6.2 ; 122,33.34 R3#6.2 R4#11.2 ; 122,33.34 105.39,33.34 R1#4.2 R2#6.2 ; 122,33.34 138,33.34 ; R5#4.2 136,31.35 ; R5#4.2 138,33.34 ; R5#4.2 R6#16.2 ; 138,33.34 154.39,33.34 ; R9#6.2 R11#6.2 ; R9#6.2 168,32.48 167.14,33.34 154.39,33.34 ; R9#6.2 R10#5.2 ; R11#6.2 R12#5.2 ; R8#5.2 R7#16.2 152.39,31.34 154.39,33.34 ; 143.34,14.09 J1#4.2
Board_14-/Led_Sensor1: length 41.1
  Top w0.7: J1#7.8 224.1,13.84 204.89,13.84 202.27,11.22 202.01,11.22 194.51,18.72 194.51,21.84
Board_14-/Led_Sensor2: length 35.9
  Top w0.7: D2#9.2 207.99,22.14 U1#7.6 208.69,14.84 226.39,14.84 229.63,11.6 J1#7.7
Board_14-/Led_Sensor3: length 44.4
  Top w0.7: 226.51,21.84 224.96,20.29 211.22,20.29 U1#7.4 212.77,15.84 228.39,15.84 232.17,12.06 J1#7.6
Board_14-/Led_Sensor4: length 39.9
  Top w0.7: U1#7.2 216.85,16.84 232.39,16.84 234.72,14.52 J1#7.5 234.72,14.34 D4#4.2
Board_14-/Led_Sensor5: length 59.7
  Top w0.7: U1#7.10 209.47,8.98 235.39,8.98 237.13,10.71 236.89,10.95 236.89,13.84 241.14,18.09 254.76,18.09 258.51,21.84
Board_14-/Led_Sensor6: length 73.9
  Top w0.7: 277.49,21.34 277.49,19.69 274.64,16.84 242.89,16.84 239.79,13.75 J1#7.3
  Bottom w0.7: U1#7.12 214.6,8.93 237.88,8.93 J1#7.3
Board_14-/Sensor1: length 21.5
  Bottom w0.7: U1#7.9 197.27,18.64 Sensor1#4.COLL 199.54,26.19 R2#7.1
Board_14-/Sensor2: length 13.9
  Bottom w0.7: U1#7.5 213.27,24.88 Sensor2#3.COLL 216.15,26.19 R4#13.1
Board_14-/Sensor3: length 24.1
  Bottom w0.7: U1#7.3 214.81,21.34 224.89,21.34 229.38,25.83 229.38,25.85 ; Sensor3#6.COLL 232.15,26.19 R6#11.1
Board_14-/Sensor4: length 35
  Bottom w0.7: R8#2.1 248.15,26.19 Sensor4#5.COLL 237.92,18.84 U1#7.1
Board_14-/Sensor5: length 62.9
  Bottom w0.7: R10.1 264.15,26.19 Sensor5#4.COLL ; U1#7.11 209.77,13.22 213.49,16.94 252.49,16.94 261.27,25.72 261.27,25.85
Board_14-/Sensor6: length 74.9
  Bottom w0.7: 271.41,20.33 267.02,15.94 217.49,15.94 214.85,13.3 U1#7.13 ; 271.41,20.33 Sensor6#14.COLL ; 271.41,20.33 271.41,24.63 271.39,24.64 R12#8.1
Board_14-Net-(D1-K): length 5.5
  Top w0.7: 197.49,21.84 198.99,23.34 R13#4.1
Board_14-Net-(D2-K): length 5.5
  Top w0.7: R14#14.1 214.99,23.34 213.49,21.84
Board_14-Net-(D3-K): length 5
  Top w0.7: 229.49,21.84 230.99,23.34 R15#15.1
Board_14-Net-(D4-K): length 5
  Top w0.7: R16#2.1 246.99,23.34 245.49,21.84
Board_14-Net-(D5-K): length 5
  Top w0.7: 261.49,21.84 264.39,21.84 R17#11.1
Board_14-Net-(D6-K): length 4.1
  Top w0.7: R18#7.1 272.09,22.14 D6#10.1
Board_14-Net-(R1-Pad1): length 3.3
  Bottom w0.7: Sensor1#4.A 200.04,31.69 R1#10.1
Board_14-Net-(R3-Pad1): length 3.9
  Bottom w0.7: 213.28,31.34 213.27,31.35 ; R3#13.1 216.65,31.69 Sensor2#3.A
Board_14-Net-(R5-Pad1): length 3.9
  Bottom w0.7: R5#12.1 232.65,31.69 Sensor3#6.A
Board_14-Net-(R7-Pad1): length 3.9
  Bottom w0.7: Sensor4#5.A 248.65,31.69 R7#5.1 ; 245.28,31.34 245.27,31.35
Board_14-Net-(R9-Pad1): length 3.9
  Bottom w0.7: Sensor5#4.A 264.65,31.69 R9#4.1 ; 261.28,31.34 261.27,31.35
Board_14-Net-(R11-Pad1): length 7.2
  Bottom w0.7: R11#3.1 273.2,33.15 275.81,33.15 Sensor6#14.A
Board_14-vcc: length 208.7
  Bottom w0.7: R6#11.2 R5#12.2 ; R5#12.2 237,33.34 ; R5#12.2 235,31.35 ; 253.39,33.34 266.14,33.34 267,32.48 R9#4.2 ; 253.39,33.34 237,33.34 ; 253.39,33.34 251.39,31.34 R7#5.2 R8#2.2 ; R12#8.2 R11#3.2 ; R11#3.2 R9#4.2 ; R11#3.2 269.39,32.84 270.7,34.15 277.58,34.15 279.89,31.84 279.89,20.34 273.64,14.09 C1#6.1 220.26,14.09 U1#7.14 ; R2#7.2 R1#10.2 204.39,33.34 221,33.34 ; 221,33.34 R3#13.2 R4#13.2 ; 221,33.34 237,33.34 ; R9#4.2 R10.2 ; 242.34,14.09 J1#7.2
Board_15-/Led_Sensor1: length 41.1
  Top w0.7: J1#11.8 316.1,13.84 296.89,13.84 294.27,11.22 294.01,11.22 286.51,18.72 286.51,21.84
Board_15-/Led_Sensor2: length 35.9
  Top w0.7: J1#11.7 321.63,11.6 318.39,14.84 300.69,14.84 U1#3.6 299.99,22.14 D2.2
Board_15-/Led_Sensor3: length 44.4
  Top w0.7: J1#11.6 324.17,12.06 320.39,15.84 304.77,15.84 U1#3.4 303.22,20.29 316.96,20.29 318.51,21.84
Board_15-/Led_Sensor4: length 39.9
  Top w0.7: U1#3.2 308.85,16.84 324.39,16.84 326.72,14.52 J1#11.5 326.72,14.34 D4#11.2
Board_15-/Led_Sensor5: length 59.7
  Top w0.7: U1#3.10 301.47,8.98 327.39,8.98 329.13,10.71 328.89,10.95 328.89,13.84 333.14,18.09 346.76,18.09 350.51,21.84
Board_15-/Led_Sensor6: length 73.9
  Top w0.7: 369.49,21.34 369.49,19.69 366.64,16.84 334.89,16.84 331.79,13.75 J1#11.3
  Bottom w0.7: J1#11.3 329.88,8.93 306.6,8.93 U1#3.12
Board_15-/Sensor1: length 21.5
  Bottom w0.7: R2#12.1 291.54,26.19 Sensor1#13.COLL 289.27,18.64 U1#3.9
Board_15-/Sensor2: length 13.9
  Bottom w0.7: R4#12.1 308.15,26.19 Sensor2#7.COLL 305.27,24.88 U1#3.5
Board_15-/Sensor3: length 24.1
  Bottom w0.7: R6#8.1 324.15,26.19 Sensor3#8.COLL ; 321.38,25.85 321.38,25.83 316.89,21.34 306.81,21.34 U1#3.3
Board_15-/Sensor4: length 35
  Bottom w0.7: R8#3.1 340.15,26.19 Sensor4.COLL 329.92,18.84 U1#3.1
Board_15-/Sensor5: length 62.9
  Bottom w0.7: U1#3.11 301.77,13.22 305.49,16.94 344.49,16.94 353.27,25.72 353.27,25.85 ; Sensor5#15.COLL 356.15,26.19 R10#16.1
Board_15-/Sensor6: length 74.9
  Bottom w0.7: R12#4.1 363.39,24.64 363.41,24.63 363.41,20.33 ; 363.41,20.33 359.02,15.94 309.49,15.94 306.85,13.3 U1#3.13 ; 363.41,20.33 Sensor6#9.COLL
Board_15-Net-(D1-K): length 5.5
  Top w0.7: R13#10.1 290.99,23.34 289.49,21.84
Board_15-Net-(D2-K): length 5.5
  Top w0.7: R14#7.1 306.99,23.34 305.49,21.84
Board_15-Net-(D3-K): length 5
  Top w0.7: R15#6.1 322.99,23.34 321.49,21.84
Board_15-Net-(D4-K): length 5
  Top w0.7: 337.49,21.84 338.99,23.34 R16#15.1
Board_15-Net-(D5-K): length 5
  Top w0.7: 353.49,21.84 356.39,21.84 R17#15.1
Board_15-Net-(D6-K): length 4.1
  Top w0.7: R18#10.1 364.09,22.14 D6#16.1
Board_15-Net-(R1-Pad1): length 3.3
  Bottom w0.7: R1.1 292.04,31.69 Sensor1#13.A
Board_15-Net-(R3-Pad1): length 3.9
  Bottom w0.7: 305.28,31.34 305.27,31.35 ; Sensor2#7.A 308.65,31.69 R3#11.1
Board_15-Net-(R5-Pad1): length 3.9
  Bottom w0.7: Sensor3#8.A 324.65,31.69 R5#8.1
Board_15-Net-(R7-Pad1): length 3.9
  Bottom w0.7: Sensor4.A 340.65,31.69 R7#9.1 ; 337.28,31.34 337.27,31.35
Board_15-Net-(R9-Pad1): length 3.9
  Bottom w0.7: Sensor5#15.A 356.65,31.69 R9#7.1 ; 353.28,31.34 353.27,31.35
Board_15-Net-(R11-Pad1): length 7.2
  Bottom w0.7: Sensor6#9.A 367.81,33.15 365.2,33.15 R11#13.1
Board_15-vcc: length 208.7
  Bottom w0.7: R12#4.2 R11#13.2 ; R11#13.2 R9#7.2 ; R11#13.2 361.39,32.84 362.7,34.15 369.58,34.15 371.89,31.84 371.89,20.34 365.64,14.09 C1#5.1 312.26,14.09 U1#3.14 ; R9#7.2 359,32.48 358.14,33.34 345.39,33.34 ; R9#7.2 R10#16.2 ; R5#8.2 329,33.34 ; R5#8.2 327,31.35 ; R5#8.2 R6#8.2 ; 329,33.34 313,33.34 ; 329,33.34 345.39,33.34 ; 313,33.34 296.39,33.34 R1.2 R2#12.2 ; 313,33.34 R3#11.2 R4#12.2 ; R8#3.2 R7#9.2 343.39,31.34 345.39,33.34 ; 334.34,14.09 J1#11.2

## Copper pours and planes (outline as drawn; the poured copper is in the pictures)
(no net) on Top: 0.5,132.5 27.5,132.5 29,131 31,131 32.5,132.5 57.5,132.5 59,131 61,131 62.5,132.5 119.5,132.5 121,131 123,131 124.5,132.5 149.5,132.5 151,131 153,131 154.5,132.5 183,132.5 184.5,131 184.5,72 183,70.5 154.5,70.5 153.38,71 150.62,71 149.5,70.5 124.5,70.5 123.38,71 120.62,71 119.5,70.5 62.5,70.5 61.38,71 58.62,71 57.5,70.5 32.5,70.5 31.38,71 28.62,71 27.5,70.5 0.5,70.5 0.5,66.5 27.5,66.5 28.62,66 31.38,66 32.5,66.5 57.5,66.5 58.62,66 61.38,66 62.5,66.5 119.5,66.5 120.62,66 123.38,66 124.5,66.5 149.5,66.5 150.62,66 153.38,66 154.5,66.5 183,66.5 184.5,65 184.5,6 183,4.5 154.5,4.5 153,6 151,6 149.5,4.5 124.5,4.5 123,6 121,6 119.5,4.5 62.5,4.5 61,6 59,6 57.5,4.5 32.5,4.5 31,6 29,6 27.5,4.5 0.5,4.5 0.5,0.5 372.5,0.5 372.5,4.5 345.5,4.5 344,6 342,6 340.5,4.5 315.5,4.5 314,6 312,6 310.5,4.5 253.5,4.5 252,6 250,6 248.5,4.5 223.5,4.5 222,6 220,6 218.5,4.5 190,4.5 188.5,6 188.5,65 190,66.5 218.5,66.5 219.62,66 222.38,66 223.5,66.5 248.5,66.5 249.62,66 252.38,66 253.5,66.5 310.5,66.5 311.62,66 314.38,66 315.5,66.5 340.5,66.5 341.62,66 344.38,66 345.5,66.5 372.5,66.5 372.5,70.5 345.5,70.5 344.38,71 341.62,71 340.5,70.5 315.5,70.5 314.38,71 311.62,71 310.5,70.5 253.5,70.5 252.38,71 249.62,71 248.5,70.5 223.5,70.5 222.38,71 219.62,71 218.5,70.5 190,70.5 188.5,72 188.5,131 190,132.5 218.5,132.5 220,131 222,131 223.5,132.5 248.5,132.5 250,131 252,131 253.5,132.5 310.5,132.5 312,131 314,131 315.5,132.5 340.5,132.5 342,131 344,131 345.5,132.5 372.5,132.5 372.5,136.5 0.5,136.5
(no net) on Bottom: 0.5,132.5 27.5,132.5 29,131 31,131 32.5,132.5 57.5,132.5 59,131 61,131 62.5,132.5 119.5,132.5 121,131 123,131 124.5,132.5 149.5,132.5 151,131 153,131 154.5,132.5 183,132.5 184.5,131 184.5,72 183,70.5 154.5,70.5 153.38,71 150.62,71 149.5,70.5 124.5,70.5 123.38,71 120.62,71 119.5,70.5 62.5,70.5 61.38,71 58.62,71 57.5,70.5 32.5,70.5 31.38,71 28.62,71 27.5,70.5 0.5,70.5 0.5,66.5 27.5,66.5 28.62,66 31.38,66 32.5,66.5 57.5,66.5 58.62,66 61.38,66 62.5,66.5 119.5,66.5 120.62,66 123.38,66 124.5,66.5 149.5,66.5 150.62,66 153.38,66 154.5,66.5 183,66.5 184.5,65 184.5,6 183,4.5 154.5,4.5 153,6 151,6 149.5,4.5 124.5,4.5 123,6 121,6 119.5,4.5 62.5,4.5 61,6 59,6 57.5,4.5 32.5,4.5 31,6 29,6 27.5,4.5 0.5,4.5 0.5,0.5 372.5,0.5 372.5,4.5 345.5,4.5 344,6 342,6 340.5,4.5 315.5,4.5 314,6 312,6 310.5,4.5 253.5,4.5 252,6 250,6 248.5,4.5 223.5,4.5 222,6 220,6 218.5,4.5 190,4.5 188.5,6 188.5,65 190,66.5 218.5,66.5 219.62,66 222.38,66 223.5,66.5 248.5,66.5 249.62,66 252.38,66 253.5,66.5 310.5,66.5 311.62,66 314.38,66 315.5,66.5 340.5,66.5 341.62,66 344.38,66 345.5,66.5 372.5,66.5 372.5,70.5 345.5,70.5 344.38,71 341.62,71 340.5,70.5 315.5,70.5 314.38,71 311.62,71 310.5,70.5 253.5,70.5 252.38,71 249.62,71 248.5,70.5 223.5,70.5 222.38,71 219.62,71 218.5,70.5 190,70.5 188.5,72 188.5,131 190,132.5 218.5,132.5 220,131 222,131 223.5,132.5 248.5,132.5 250,131 252,131 253.5,132.5 310.5,132.5 312,131 314,131 315.5,132.5 340.5,132.5 342,131 344,131 345.5,132.5 372.5,132.5 372.5,136.5 0.5,136.5
Board_0-GND on Top: -18.11,143.34 110.89,143.38 110.39,90.34 -18.11,89.84
Board_0-GND on Bottom: 108.39,141.34 -15.61,141.34 -16.11,92.34 108.39,92.34
Board_1-GND on Top: 73.89,143.34 202.89,143.38 202.39,90.34 73.89,89.84
Board_1-GND on Bottom: 200.39,141.34 76.39,141.34 75.89,92.34 200.39,92.34
Board_2-GND on Top: 172.89,143.34 301.89,143.38 301.39,90.34 172.89,89.84
Board_2-GND on Bottom: 299.39,141.34 175.39,141.34 174.89,92.34 299.39,92.34
Board_3-GND on Top: 264.89,143.34 393.89,143.38 393.39,90.34 264.89,89.84
Board_3-GND on Bottom: 391.39,141.34 267.39,141.34 266.89,92.34 391.39,92.34
Board_4-GND on Top: -18.11,114.34 110.89,114.38 110.39,61.34 -18.11,60.84
Board_4-GND on Bottom: 108.39,112.34 -15.61,112.34 -16.11,63.34 108.39,63.34
Board_5-GND on Top: 73.89,114.34 202.89,114.38 202.39,61.34 73.89,60.84
Board_5-GND on Bottom: 200.39,112.34 76.39,112.34 75.89,63.34 200.39,63.34
Board_6-GND on Top: 172.89,114.34 301.89,114.38 301.39,61.34 172.89,60.84
Board_6-GND on Bottom: 299.39,112.34 175.39,112.34 174.89,63.34 299.39,63.34
Board_7-GND on Top: 264.89,114.34 393.89,114.38 393.39,61.34 264.89,60.84
Board_7-GND on Bottom: 391.39,112.34 267.39,112.34 266.89,63.34 391.39,63.34
Board_8-GND on Top: -18.11,78.34 110.89,78.38 110.39,25.34 -18.11,24.84
Board_8-GND on Bottom: 108.39,76.34 -15.61,76.34 -16.11,27.34 108.39,27.34
Board_9-GND on Top: 73.89,78.34 202.89,78.38 202.39,25.34 73.89,24.84
Board_9-GND on Bottom: 200.39,76.34 76.39,76.34 75.89,27.34 200.39,27.34
Board_10-GND on Top: 172.89,78.34 301.89,78.38 301.39,25.34 172.89,24.84
Board_10-GND on Bottom: 299.39,76.34 175.39,76.34 174.89,27.34 299.39,27.34
Board_11-GND on Top: 264.89,78.34 393.89,78.38 393.39,25.34 264.89,24.84
Board_11-GND on Bottom: 391.39,76.34 267.39,76.34 266.89,27.34 391.39,27.34
Board_12-GND on Top: -18.11,49.34 110.89,49.38 110.39,-3.66 -18.11,-4.16
Board_12-GND on Bottom: 108.39,47.34 -15.61,47.34 -16.11,-1.66 108.39,-1.66
Board_13-GND on Top: 73.89,49.34 202.89,49.38 202.39,-3.66 73.89,-4.16
Board_13-GND on Bottom: 200.39,47.34 76.39,47.34 75.89,-1.66 200.39,-1.66
Board_14-GND on Top: 172.89,49.34 301.89,49.38 301.39,-3.66 172.89,-4.16
Board_14-GND on Bottom: 299.39,47.34 175.39,47.34 174.89,-1.66 299.39,-1.66
Board_15-GND on Top: 264.89,49.34 393.89,49.38 393.39,-3.66 264.89,-4.16
Board_15-GND on Bottom: 391.39,47.34 267.39,47.34 266.89,-1.66 391.39,-1.66

## Text on the board
User.Comments: LED D6 está al révés
